# Altium PCB 400389.PcbDoc (part 2 of 8) (continued)
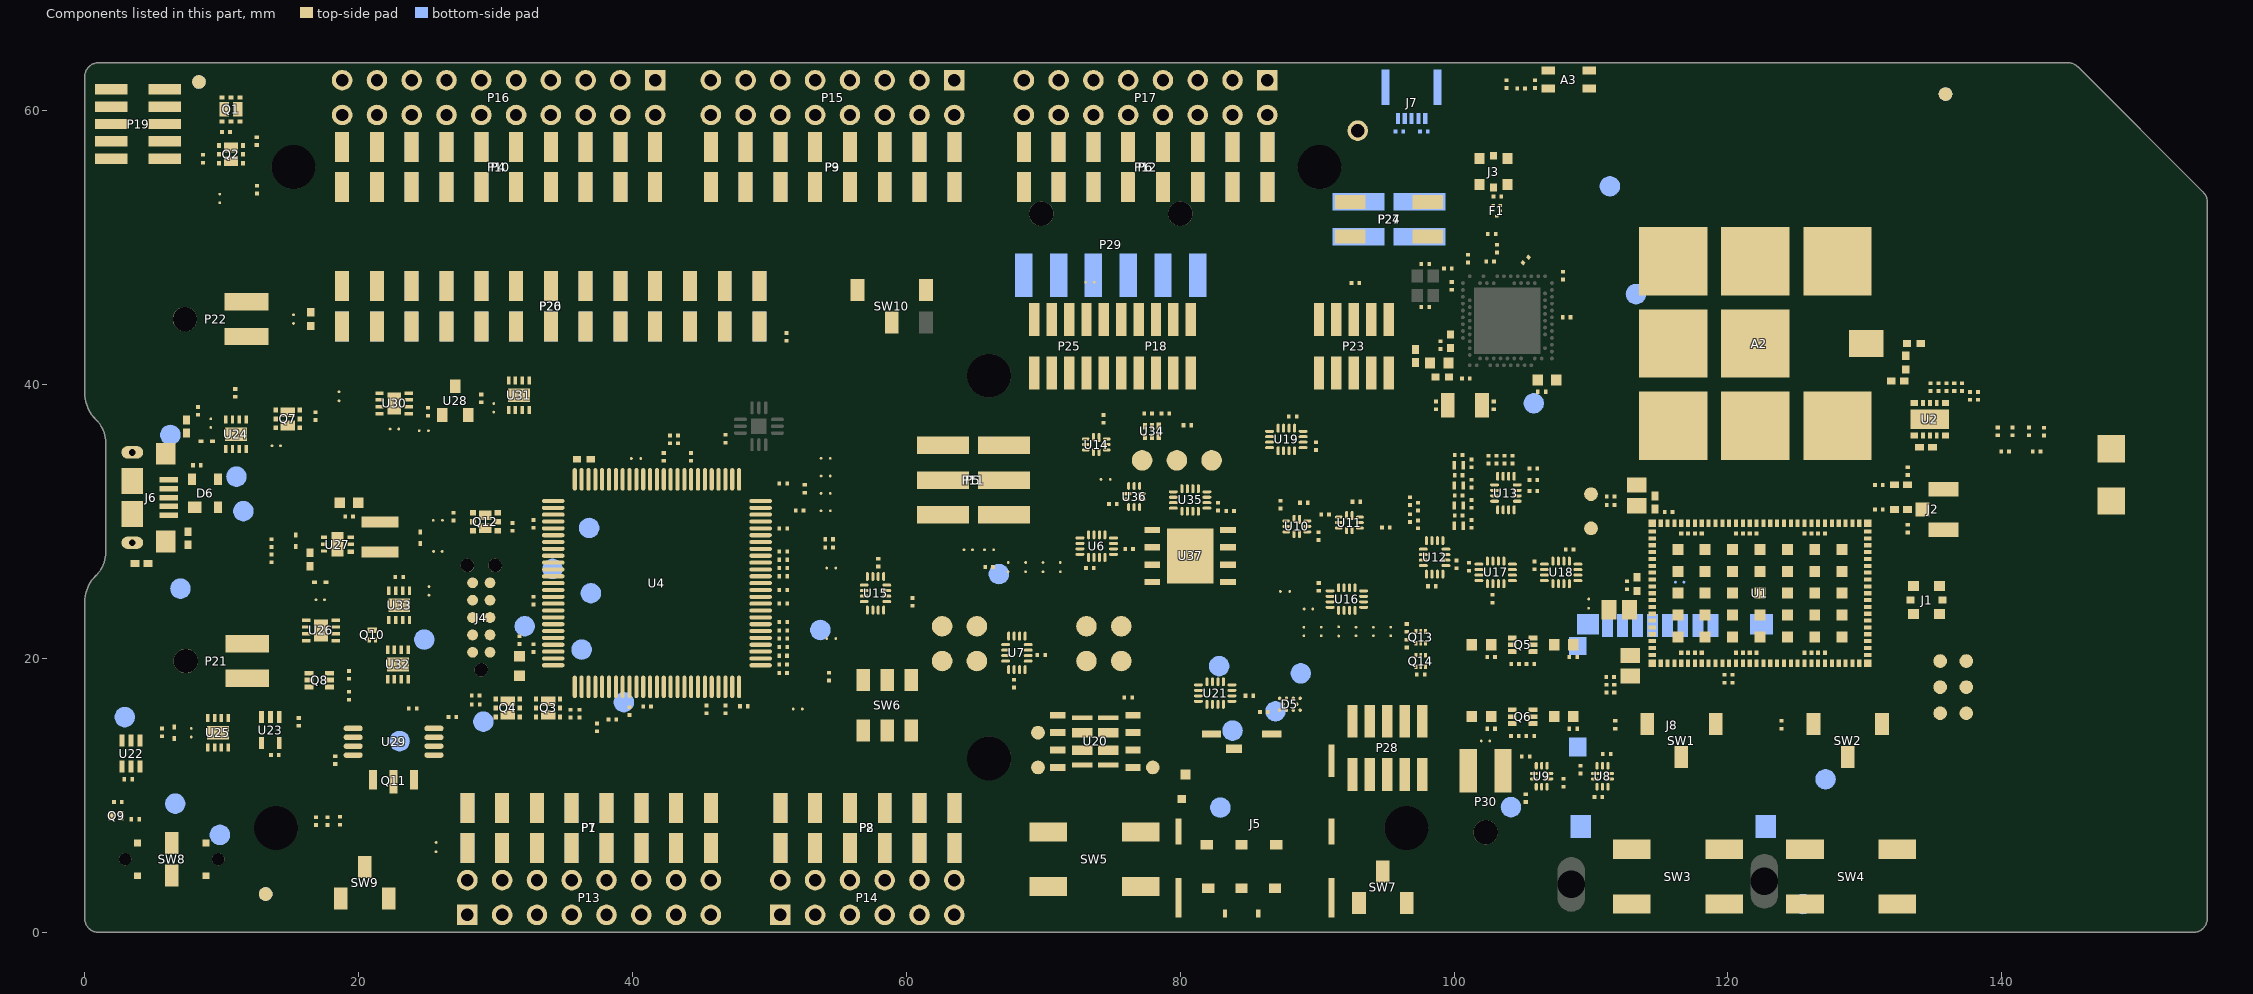
[diagram p4: the components of this part, seen from the top]
## Part data (continued)
P5: library part "Pin Header 2x3 SMD", "Pin Header 2x3, 2.54mm (100mil) SMD", Manufacturer=W-CON, Manufacturer Part Number=1125-1203S0M116R1, Part number IPS=00000009966, Artikkelnr Noca=55010007, ComponentLink1Description=Datasheet, ComponentLink2Description="Supplier link", Footprint Doc=HDR_2x3-SMD, HelpURL=\\hizz\pro\app9717\Datasheet\connectors\W-CON\1125-12XXXXMXXXXX.PDF, LatestRevisionDate=2016-01-22, Note=SMD, Part Number="Pin Header 2x3 SMD", Pin Count=6, Published=2016-01-22, Publisher="Nordic Semiconductor", Supplier 1=Cabcon, Supplier 2=Samtec, Supplier Part Number 1=1125-1203S0M116R1, Supplier Part Number 2=TSM-103-01-L-DV
P7 P9 P12: library part "Pin List 1x8 SMD, N.C.", "Pin List 1x8, 2.54mm (100mil), SMD", Manufacturer=W-CON, Manufacturer Part Number=1125-1108S0M116R2, Part number IPS=N.A., Artikkelnr Noca=55010006, Assembly="Not mounted", ComponentLink1Description=Datasheet, ComponentLink2Description="Supplier link", Footprint Doc=LIST_1x8_SMD, HelpURL=\\hizz\pro\app9717\Datasheet\connectors\W-CON\1125-11XXXXMXXXXX.pdf, LatestRevisionDate=2016-01-22, Part Number="Pin List 1x8 SMD, N.C.", Pin Count=8, Published=2016-01-22, Publisher="Nordic Semiconductor", Supplier 1=Cabcon, Supplier 2=Samtec, Supplier Part Number 1=1125-1108S0M116R2, Supplier Part Number 2=TSM-108-01-L-SV-P-TR
P8: library part "Pin List 1x6 SMD, N.C.", "Pin List 1x6, 2.54mm (100mil), SMD", Manufacturer=W-CON, Manufacturer Part Number=1125-1106S0M116R2, Part number IPS=N.A., Artikkelnr Noca=55010026, Assembly="Not mounted", ComponentLink1Description=Datasheet, ComponentLink2Description="Supplier link", Footprint Doc=LIST_1x6_SMD, HelpURL=\\hizz\pro\app9717\Datasheet\connectors\W-CON\1125-11XXXXMXXXXX.pdf, LatestRevisionDate=2016-03-29, Part Number="Pin List 1x6 SMD, N.C.", Pin Count=6, Published=2016-03-29, Publisher="Nordic Semiconductor", Supplier 1=Cabcon, Supplier 2=Samtec, Supplier Part Number 1=1125-1106S0M116R2, Supplier Part Number 2=TSM-106-01-L-SV-P-TR
P10: library part "Pin List 1x10 SMD, N.C.", "Pin List 1x10, 2.54mm (100mil), SMD", Manufacturer=W-CON, Manufacturer Part Number=1125-1110S0M116R2, Part number IPS=N.A., Artikkelnr Noca=55010028, Assembly="Not mounted", ComponentLink1Description=Datasheet, ComponentLink2Description="Supplier link", Footprint Doc=LIST_1x10_SMD, HelpURL=\\hizz\pro\app9717\Datasheet\connectors\W-CON\1125-11XXXXMXXXXX.pdf, LatestRevisionDate=2016-03-29, Part Number="Pin List 1x10 SMD, N.C.", Pin Count=10, Published=2016-03-29, Publisher="Nordic Semiconductor", Supplier 1=Cabcon, Supplier 2=Samtec, Supplier Part Number 1=1125-1110S0M116R2, Supplier Part Number 2=TSM-110-01-L-SV-P-TR
P11: library part "Socket 2x3 SMD Bottom, N.C.", "Socket 2x3, 2.54mm (100mil), SMD", Manufacturer=W-CON, Manufacturer Part Number=2171-203MS0CUNR1, Part number IPS=N.A., Artikkelnr Noca=55030010, Assembly="Not mounted", ComponentLink1Description=Datasheet, ComponentLink2Description="Supplier link", Footprint Doc=SOCKET_2x3_SMD-2.54mm-bottom, HelpURL=\\hizz\pro\app9717\Datasheet\connectors\W-CON\2171-2XXMXXCUNXX.pdf, LatestRevisionDate=2016-03-29, Part Number="Socket 2x3 SMD Bottom, N.C.", Pin Count=6, Published=2014-06-10, Publisher="Nordic Semiconductor", Supplier 1=Cabcon, Supplier 2=Samtec, Supplier Part Number 1=2171-203MS0CUNR1, Supplier Part Number 2=SSM-103-F-DV-P-TR
P13 P15 P17: library part "Pin Header 2x8, N.C.", "Pin Header 2x8, 2.54mm (100mil)", Part number IPS=N.A., Artikkelnr Noca=N.A., Assembly="Not mounted", ComponentLink1Description=Datasheet, ComponentLink2Description="Supplier link", Footprint Doc=HDR_2x8, LatestRevisionDate=2009-12-12, Part Number="Pin Header 2x8, N.C.", Pin Count=16, Published=2009-12-12, Publisher="Nordic Semiconductor"
P14: library part "Pin Header 2x6, N.C.", "Pin Header 2x6, 2.54mm (100mil)", Part number IPS=N.A., Artikkelnr Noca=N.A., Assembly="Not mounted", ComponentLink1Description=Datasheet, ComponentLink2Description="Supplier link", Footprint Doc=HDR_2x6, LatestRevisionDate=2014-07-04, Part Number="Pin Header 2x6, N.C.", Pin Count=12, Published=2009-12-12, Publisher="Nordic Semiconductor"
P16: library part "Pin Header 2x10, N.C.", "Pin Header 2x10, 2.54mm (100mil)", Part number IPS=N.A., Artikkelnr Noca=N.A., Assembly="Not mounted", ComponentLink1Description=Datasheet, ComponentLink2Description="Supplier link", Footprint Doc=HDR_2x10, LatestRevisionDate=2017-02-02, Part Number="Pin Header 2x10, N.C.", Pin Count=20, Published=2017-01-30, Publisher="Nordic Semiconductor"
P18 P19 P23: library part "Pin Header 2x5 SMD, 1.27mm, KS", "Pin Header 2x5, 1.27mm (50mil), SMD, Keying Shroud", Manufacturer=W-CON, Manufacturer Part Number=3132-10MS0BK00R1, Part number IPS=00000009968, Artikkelnr Noca=55010009, ComponentLink1Description=Datasheet, ComponentLink2Description="Supplier link", Footprint Doc=HDR_2x5-SMD-1.27mm, HelpURL=\\hizz\pro\app9717\Datasheet\connectors\W-CON\3132-XXMXXBK00XX.pdf, LatestRevisionDate=2016-04-21, Part Number="Pin Header 2x5 SMD, 1.27mm, KS", Pin Count=10, Published=2016-01-22, Publisher="Nordic Semiconductor", Supplier 1=Cabcon, Supplier 2=Samtec, Supplier Part Number 1=3132-10MS0BK00R1, Supplier Part Number 2=FTSH-105-01-F-DV-K
P20: library part "Pin List 1x13 SMD", "Pin List 1x13, 2.54mm (100mil), SMD", Part number IPS=00000002499, Supplier Part Number 1=1125-1113S0M116R2, Artikkelnr Noca=N.A., ComponentLink1Description=Datasheet, ComponentLink2Description="Supplier link", Footprint Doc=LIST_1x13_SMD, LatestRevisionDate=2015-11-10, Part Number="Pin List 1x13 SMD", Pin Count=13, Published=2015-11-10, Publisher="Nordic Semiconductor", Supplier 1=Cabcon, Supplier 2=Samtec, Supplier Part Number 2=TSM-113-01-L-SV-P-TR
P21 P22 P30: library part "Pin List Ang 1x2 SMD, 2.54mm", "Pin List 1x2, 2.54mm (100mil), Right Angled, SMD", Manufacturer=W-CON, Manufacturer Part Number=1125B-1102S0Z135R2, Part number IPS=00000009972, Artikkelnr Noca=55010023, ComponentLink1Description=Datasheet, ComponentLink2Description="Supplier link", Footprint Doc=LIST_ANG_1x2-SMD-2.54MM, HelpURL=\\hizz\pro\app9717\Datasheet\connectors\W-CON\1125B-11XXXXZXXXXX.pdf, LatestRevisionDate=2016-05-26, Part Number="Pin List Ang 1x2 SMD, 2.54mm", Pin Count=2, Published=2016-01-22, Publisher="Nordic Semiconductor", Supplier 1=Cabcon, Supplier 2=Samtec, Supplier Part Number 1=1125B-1102S0Z135R2, Supplier Part Number 2=TSM-102-01-L-SH-A
P24: library part 2171-202MSNCUNR1, ".025 SOCKET STRIPS", Manufacturer=WCON, Part number IPS=00000001417, Artikkelnr Noca=N.A., ComponentLink1Description=Datasheet, ComponentLink1URL=https://www.samtec.com/partnumber/ssm-102-t-dv-be-tr?vendor=digikey, ComponentLink2Description="Supplier link", Footprint Doc=SSM-102-T-DV-BE-TR, LatestRevisionDate=2018-06-07, Manufacturer Part Number=2171-202MSNCUNR1, Part Number=2171-202MSNCUNR1, Pin Count=4, Published=2018-06-07, Publisher="Nordic Semiconductor", Supplier 1=Cabcon, Supplier 2=Digi-Key, Supplier Part Number 1=2171-202MSNCUNR1, Supplier Part Number 2=SSM-102-T-DV-BE-TR-ND
P25: library part "Pin Header 2x10 SMD, 1.27mm, KS, N.C.", "Pin Header 2x10, 1.27mm (50mil), SMD, Keying Shroud", Manufacturer=W-CON, Manufacturer Part Number=3132-20MS0BK00R1, Part number IPS=N.A., Artikkelnr Noca=N.A., Assembly="Not mounted", ComponentLink1Description=Datasheet, ComponentLink2Description="Supplier link", Footprint Doc=HDR_2x10-SMD-1.27mm, LatestRevisionDate=2017-10-23, Part Number="Pin Header 2x10 SMD, 1.27mm, KS, N.C.", Pin Count=20, Published=2017-09-07, Publisher="Nordic Semiconductor", Supplier 1=Cabcon, Supplier 2=Digi-Key, Supplier Part Number 1=3132-20MS0BK00R1, Supplier Part Number 2=FTSH-110-01-F-DV-K-ND
P26: library part "Socket 1x13 SMD, N.C.", "Socket 1x13, 2.54mm (100mil), SMD", Manufacturer=W-CON, Manufacturer Part Number=2171-113MS0CUNR1, Part number IPS=N.A., Artikkelnr Noca=N.A., Assembly="Not mounted", ComponentLink1Description=Datasheet, ComponentLink2Description="Supplier link", Footprint Doc=SOCKET_1x13_SMD, LatestRevisionDate=2019-05-27, Part Number="Socket 1x13 SMD, N.C.", Pin Count=13, Published=2019-05-27, Publisher="Nordic Semiconductor", Supplier 1=Cabcon, Supplier 2=Samtec, Supplier Part Number 1=2171-113MS0CUNR1, Supplier Part Number 2=SSM-113-L-SV-P-TR
P27: library part HDR_2x2_SMD_GOLD, "CONN HEADER 4POS .100\" VERT 15AU", Manufacturer=Molex, Manufacturer Part Number=15-91-0040, Part number IPS=N.A., Supplier Part Number 1=0015910040-ND, Artikkelnr Noca=N.A., Assembly="Not mounted", ComponentLink1Description=Datasheet, ComponentLink2Description="Supplier link", Footprint Doc=HDR_2x2-SMD, HelpURL=http://www.molex.com/pdm_docs/sd/015910040_sd.pdf, LatestRevisionDate=2012-05-06, Note="SMD, gold plating", Part Number=HDR_2x2_SMD_GOLD, Pin Count=4, Published=2012-05-06, Publisher="Nordic Semiconductor", Supplier 1=Digi-Key
P28: library part "Pin Header 2x5 SMD, 1.27mm", "Pin Header 2x5, 1.27mm (50mil), SMD", Manufacturer=W-CON, Manufacturer Part Number=1325-1205S0M078R1, Part number IPS=00000009970, Artikkelnr Noca=55019196, ComponentLink1Description=Datasheet, ComponentLink2Description="Supplier link", Footprint Doc=HDR_2x5-SMD-1.27mm, HelpURL=http://www.farnell.com/datasheets/81359.pdf, LatestRevisionDate=2016-04-21, Part Number="Pin Header 2x5 SMD, 1.27mm", Pin Count=10, Published=2010-11-25, Publisher="Nordic Semiconductor", Supplier 1=Cabcon, Supplier 2=Farnell, Supplier Part Number 1=1325-1205S0M078R1, Supplier Part Number 2=166-7759
P29: library part "Pin List Ang 1x6 SMD, 2.54mm", "Pin List 1x6, 2.54mm (100mil), Right Angled, SMD", Part number IPS=N.A., Supplier Part Number 1=TSM-106-01-L-SH-A, Artikkelnr Noca=N.A., Assembly="Not mounted", ComponentLink1Description=Datasheet, ComponentLink2Description="Supplier link", Footprint Doc=LIST_ANG_1x6-SMD-2.54MM, LatestRevisionDate=2015-01-23, Part Number="Pin List Ang 1x6 SMD, 2.54mm", Pin Count=6, Published=2015-01-23, Publisher="Nordic Semiconductor", Supplier 1=Samtec, Supplier 2=Digi-Key, Supplier Part Number 2=S1113E-06-ND
Q1 Q2 Q3 Q4 Q7: library part PMCPB5530X,115, "Mosfet Array N and P-Channel 20V 4A (Ta), 3.4A (Ta) 490mW Surface Mount 6-HUSON-EP (2x2)", Manufacturer=Nexperia, Part number IPS=00000001918, Supplier Part Number 1=1727-1327-1-ND, Artikkelnr Noca=N.A., ComponentLink1Description=Datasheet, ComponentLink1URL=https://assets.nexperia.com/documents/data-sheet/PMCPB5530X.pdf, ComponentLink2Description="Supplier link", ComponentLink2URL=https://www.digikey.com/product-detail/en/nexperia-usa-inc/PMCPB5530X115/1727-1327-1-ND/4386339, Footprint Doc=6-UDFN, HelpURL=https://www.nexperia.com/products/mosfets/small-signal-mosfets/PMCPB5530X.html, LatestRevisionDate=2018-04-30, Manufacturer Part Number=PMCPB5530X,115, Part Number=PMCPB5530X,115, Pin Count=8, Published=2018-04-30, Publisher="Nordic Semiconductor", Supplier 1=Digi-Key, Supplier 2=Mouser, Supplier Part Number 2=771-PMCPB5530X115
Q5 Q6 Q8: "MOSFET 2N-CH 30V 0.2A SOT666", Manufacturer=Nexperia, Manufacturer Part Number=NX3020NAKV,115, Part number IPS=00000001724, Supplier Part Number 1=1727-1287-2-ND, Artikkelnr Noca=N.A., ComponentLink1Description=Datasheet, ComponentLink1URL=https://assets.nexperia.com/documents/data-sheet/NX3020NAKV.pdf, ComponentLink2Description="Supplier link", Footprint Doc=SOT666, LatestRevisionDate=2018-12-13, Part Number=NX3020NAKV, Pin Count=6, Published=2018-12-13, Publisher="Nordic Semiconductor", Supplier 1=Digi-Key, Supplier 2=Mouser, Supplier Part Number 2=771-NX3020NAKV115
Q9 Q10: "N-Channel MOSFET, 20V, 1A, 470mOhm, 400mW", Manufacturer="Rohm Semiconductor", Part number IPS=00000009976, Supplier Part Number 1=RV2C010UNT2LCT-ND, Artikkelnr Noca=35010020, ComponentLink1Description=Datasheet, ComponentLink2Description="Supplier link", Footprint Doc=DFN-3, HelpURL=http://rohmfs.rohm.com/en/products/databook/datasheet/discrete/transistor/mosfet/rv2c010unt2l-e.pdf, LatestRevisionDate=2016-08-09, Manufacturer Part Number=RV2C010UNT2L, Part Number=RV2C010UNT2L, Pin Count=3, Published=2016-08-09, Publisher="Nordic Semiconductor", Supplier 1=Digi-Key, Supplier 2=Mouser, Supplier Part Number 2=755-RV2C010UNT2L
Q11: "45V NPN high gain power transistor", Manufacturer="Diodes Incorporated", Part number IPS=00000009974, Supplier Part Number 1=FCX690BCT-ND, Artikkelnr Noca=35010019, ComponentLink1Description=Datasheet, ComponentLink2Description="Supplier link", Footprint Doc=SOT-89, HelpURL=http://www.diodes.com/_files/datasheets/FCX690B.pdf, LatestRevisionDate=2016-07-07, Manufacturer Part Number=FCX690BTA, Part Number=FCX690BTA, Pin Count=3, Published=2016-07-07, Publisher="Nordic Semiconductor", Supplier 1=Digi-Key
Q12: "Dual N & P Ch MOFET, 11.6A/9A, 90mOhm max, 6.25W", Manufacturer="Taiwan Semiconductor", Part number IPS=00000001702, Supplier Part Number 1=TSM2537CQRFGCT-ND, Artikkelnr Noca=N.A., ComponentLink1Description=Datasheet, ComponentLink1URL=https://www.taiwansemi.com/products/datasheet/TSM2537CQ_A1610.pdf, ComponentLink2Description="Supplier link", Footprint Doc=VDFN-6, HelpURL=https://www.taiwansemi.com/products/datasheet/TSM2537CQ_A1610.pdf, LatestRevisionDate=2018-10-29, Manufacturer Part Number="TSM2537CQ RFG", Part Number="TSM2537CQ RFG", Pin Count=6, Published=2018-10-29, Publisher="Nordic Semiconductor", Supplier 1=Digi-Key
Q13 Q14: library part DMC2990UDJ-7, "MOSFET, Dual N and P-Channel, 20V, 450mA/310mA, 990mOhm, 350mW", Manufacturer="Diodes Incorporated", Part number IPS=N.A., Supplier Part Number 1=DMC2990UDJ-7DICT-ND, Artikkelnr Noca=N.A., ComponentLink1Description=Datasheet, ComponentLink1URL=https://www.diodes.com/assets/Datasheets/DMC2990UDJ.pdf, ComponentLink2Description="Supplier link", Footprint Doc=SOT-963, LatestRevisionDate=2020-02-21, Manufacturer Part Number=DMC2990UDJ-7, Part Number=DMC2990UDJ-7, Pin Count=6, Published=2020-02-21, Publisher="Nordic Semiconductor", Supplier 1=Digi-Key
R1 R13 R14 R15 R16 R20 R104 R105 R106: library part R0201-10k, "Resistor, ±1%, 0.05W", Part number IPS=00000001255, Artikkelnr Noca=N.A., ComponentLink1Description=Datasheet, ComponentLink2Description="Supplier link", Footprint Doc=0201, LatestRevisionDate=2014-11-13, Note="Chip Res 1%", Part Number=R0201-10k, Pin Count=2, Published=2014-11-13, Publisher="Nordic Semiconductor"
R2 R81 R82 R99: library part R0201-1k0, "Resistor, ±1%, 0.05W", Part number IPS=00000005786, Artikkelnr Noca=N.A., ComponentLink1Description=Datasheet, ComponentLink2Description="Supplier link", Footprint Doc=0201, LatestRevisionDate=2014-11-13, Note="Chip Res 1%", Part Number=R0201-1k0, Pin Count=2, Published=2014-11-13, Publisher="Nordic Semiconductor"
R3 R6 R8 R10 R68: library part R0201-0R, "Resistor, ±5%, 0.05W", Part number IPS=00000003245, Artikkelnr Noca=N.A., ComponentLink1Description=Datasheet, ComponentLink2Description="Supplier link", Footprint Doc=0201, LatestRevisionDate=2017-11-09, Note="Chip Res 5%", Part Number=R0201-0R, Pin Count=2, Published=2014-11-13, Publisher="Nordic Semiconductor"
R4: library part R0402-0R, "Resistor, ±5%, 0.063W", Part number IPS=00000007128, Supplier Part Number 1=146-9661, Artikkelnr Noca=27049000, ComponentLink1Description=Datasheet, ComponentLink2Description="Supplier link", Footprint Doc=0402, LatestRevisionDate=2009-11-23, Note="Chip Res 5%", Part Number=R0402-0R, Pin Count=2, Published=2009-05-08, Publisher="Nordic Semiconductor", Supplier 1=Farnell
R5 R7 R9 R11 R19 R39 R42 R44 R45 R46 R47 R48 R49 R50 R51 R52 R53 R54 R69 R70 R71 R72 R77 R78 R79 R80 R86 R88 R91 R92 R103: library part R0201-1M0, "Resistor, ±1%, 0.05W", Part number IPS=00000001418, Artikkelnr Noca=N.A., ComponentLink1Description=Datasheet, ComponentLink2Description="Supplier link", Footprint Doc=0201, LatestRevisionDate=2014-11-13, Note="Chip Res 1%", Part Number=R0201-1M0, Pin Count=2, Published=2014-11-13, Publisher="Nordic Semiconductor"
R12 R25 R55 R57 R59 R61 R83 R101 R107: library part R0201-100k, "Resistor, ±1%, 0.05W", Part number IPS=00000001419, Artikkelnr Noca=N.A., ComponentLink1Description=Datasheet, ComponentLink2Description="Supplier link", Footprint Doc=0201, LatestRevisionDate=2014-11-13, Note="Chip Res 1%", Part Number=R0201-100k, Pin Count=2, Published=2014-11-13, Publisher="Nordic Semiconductor"
R17 R67 R108: library part R0201-N.C., "Not mounted", Part number IPS=N.A., Artikkelnr Noca=N.A., Assembly="Not mounted", ComponentLink1Description=Datasheet, ComponentLink2Description="Supplier link", Footprint Doc=0201, LatestRevisionDate=2014-11-13, Note="Chip Res", Part Number=R0201-N.C., Pin Count=2, Published=2014-11-13, Publisher="Nordic Semiconductor"
R18 R73 R74 R75 R76: library part R0201-120, "Resistor, ±1%, 0.05W", Part number IPS=00000000880, Artikkelnr Noca=N.A., ComponentLink1Description=Datasheet, ComponentLink2Description="Supplier link", Footprint Doc=0201, LatestRevisionDate=2014-11-13, Note="Chip Res 1%", Part Number=R0201-120, Pin Count=2, Published=2014-11-13, Publisher="Nordic Semiconductor"
R21 R24 R26 R27 R28 R29 R30 R31 R32 R33 R34 R35 R36 R37 R38 R40 R41 R43: library part R0201-150, "Resistor, ±1%, 0.05W", Part number IPS=00000001420, Artikkelnr Noca=N.A., ComponentLink1Description=Datasheet, ComponentLink2Description="Supplier link", Footprint Doc=0201, LatestRevisionDate=2014-11-13, Note="Chip Res 1%", Part Number=R0201-150, Pin Count=2, Published=2014-11-13, Publisher="Nordic Semiconductor"
R22 R23: library part R0201-33R, "Resistor, ±1%, 0.05W", Part number IPS=00000003623, Artikkelnr Noca=N.A., ComponentLink1Description=Datasheet, ComponentLink2Description="Supplier link", Footprint Doc=0201, LatestRevisionDate=2014-11-13, Note="Chip Res 1%", Part Number=R0201-33R, Pin Count=2, Published=2014-11-13, Publisher="Nordic Semiconductor"
R56 R58 R60 R62: library part R0201-18k, "Resistor, ±1%, 0.05W", Part number IPS=00000001707, Artikkelnr Noca=N.A., ComponentLink1Description=Datasheet, ComponentLink2Description="Supplier link", Footprint Doc=0201, LatestRevisionDate=2014-11-13, Note="Chip Res 1%", Part Number=R0201-18k, Pin Count=2, Published=2014-11-13, Publisher="Nordic Semiconductor"
R63 R64: library part R0201-4k7, "Resistor, ±1%, 0.05W", Part number IPS=00000001706, Artikkelnr Noca=N.A., ComponentLink1Description=Datasheet, ComponentLink2Description="Supplier link", Footprint Doc=0201, LatestRevisionDate=2014-11-13, Note="Chip Res 1%", Part Number=R0201-4k7, Pin Count=2, Published=2014-11-13, Publisher="Nordic Semiconductor"
R65 R66: library part R0201-12k, "Resistor, ±1%, 0.05W", Part number IPS=00000007891, Artikkelnr Noca=N.A., ComponentLink1Description=Datasheet, ComponentLink2Description="Supplier link", Footprint Doc=0201, LatestRevisionDate=2014-11-13, Note="Chip Res 1%", Part Number=R0201-12k, Pin Count=2, Published=2014-11-13, Publisher="Nordic Semiconductor"
R84: library part R0201-422, "Resistor, ±1%, 0.05W", Part number IPS=00000002996, Artikkelnr Noca=N.A., ComponentLink1Description=Datasheet, ComponentLink2Description="Supplier link", Footprint Doc=0201, LatestRevisionDate=2019-07-16, Note="Chip Res 1%", Part Number=R0201-422, Pin Count=2, Published=2019-07-16, Publisher="Nordic Semiconductor"
R85 R95: library part R0201-150k, "Resistor, ±1%, 0.05W", Part number IPS=00000001422, Artikkelnr Noca=N.A., ComponentLink1Description=Datasheet, ComponentLink2Description="Supplier link", Footprint Doc=0201, LatestRevisionDate=2014-11-13, Note="Chip Res 1%", Part Number=R0201-150k, Pin Count=2, Published=2014-11-13, Publisher="Nordic Semiconductor"
R87: library part R0201-47k, "Resistor, ±1%, 0.05W", Part number IPS=00000001423, Artikkelnr Noca=N.A., ComponentLink1Description=Datasheet, ComponentLink2Description="Supplier link", Footprint Doc=0201, LatestRevisionDate=2014-11-13, Note="Chip Res 1%", Part Number=R0201-47k, Pin Count=2, Published=2014-11-13, Publisher="Nordic Semiconductor"
R89: library part R0201-820k, "Resistor, ±1%, 0.05W", Part number IPS=00000001427, Artikkelnr Noca=N.A., ComponentLink1Description=Datasheet, ComponentLink2Description="Supplier link", Footprint Doc=0201, LatestRevisionDate=2014-11-13, Note="Chip Res 1%", Part Number=R0201-820k, Pin Count=2, Published=2014-11-13, Publisher="Nordic Semiconductor"
R90: library part R0201-470k, "Resistor, ±1%, 0.05W", Part number IPS=00000001428, Artikkelnr Noca=N.A., ComponentLink1Description=Datasheet, ComponentLink2Description="Supplier link", Footprint Doc=0201, LatestRevisionDate=2014-11-13, Note="Chip Res 1%", Part Number=R0201-470k, Pin Count=2, Published=2014-11-13, Publisher="Nordic Semiconductor"
R93 R94 R98 R102: library part R0201-10M, "Resistor, ±1%, 0.05W", Part number IPS=00000001426, Artikkelnr Noca=N.A., ComponentLink1Description=Datasheet, ComponentLink2Description="Supplier link", Footprint Doc=0201, LatestRevisionDate=2014-11-13, Note="Chip Res 1%", Part Number=R0201-10M, Pin Count=2, Published=2014-11-13, Publisher="Nordic Semiconductor"
R96: library part R0201-330k, "Resistor, ±1%, 0.05W", Part number IPS=00000001424, Artikkelnr Noca=N.A., ComponentLink1Description=Datasheet, ComponentLink2Description="Supplier link", Footprint Doc=0201, LatestRevisionDate=2014-11-13, Note="Chip Res 1%", Part Number=R0201-330k, Pin Count=2, Published=2014-11-13, Publisher="Nordic Semiconductor"
R97: library part R0402-N.C., "Not mounted", Part number IPS=N.A., Artikkelnr Noca=N.A., Assembly="Not mounted", ComponentLink1Description=Datasheet, ComponentLink2Description="Supplier link", Footprint Doc=0402, LatestRevisionDate=2009-05-08, Note="Chip Res", Part Number=R0402-N.C., Pin Count=2, Published=2009-05-08, Publisher="Nordic Semiconductor"
R100: library part R0201-120k, "Resistor, ±1%, 0.05W", Part number IPS=00000001425, Artikkelnr Noca=N.A., ComponentLink1Description=Datasheet, ComponentLink2Description="Supplier link", Footprint Doc=0201, LatestRevisionDate=2014-11-13, Note="Chip Res 1%", Part Number=R0201-120k, Pin Count=2, Published=2014-11-13, Publisher="Nordic Semiconductor"
SB1 SB3 SB4 SB5 SB6 SB7 SB8 SB9 SB10 SB11 SB12 SB13 SB14 SB23 SB26 SB32 SB35 SB39: library part "Solderbridge Shorted", "Shorted Solderbridge", Part number IPS=N.A., Artikkelnr Noca=N.A., ComponentLink1Description=Datasheet, ComponentLink2Description="Supplier link", Footprint Doc=Solderbridge_Shorted, LatestRevisionDate=2012-08-07, Part Number="Solderbridge Shorted", Pin Count=2, Published=2012-08-07, Publisher="Nordic Semiconductor"
SB2 SB16 SB17 SB18 SB19 SB21 SB22 SB24 SB25 SB27 SB28 SB29 SB30 SB31 SB34 SB36 SB37 SB38 SB40 SB41: Part number IPS=N.A., Artikkelnr Noca=N.A., ComponentLink1Description=Datasheet, ComponentLink2Description="Supplier link", Footprint Doc=Solderbridge, LatestRevisionDate=2009-12-14, Part Number=Solderbridge, Pin Count=2, Published=2009-12-14, Publisher="Nordic Semiconductor"
SB15 SB20: library part "Solderbridge shorted", "Shorted Solderbridge", Part Number="Solderbridge Shorted", Part number IPS=N.A., Artikkelnr Noca=N.A., ComponentLink1Description=Datasheet, ComponentLink2Description="Supplier link", Footprint Doc=Solderbridge_Shorted, LatestRevisionDate=2012-08-07, Pin Count=2, Published=2012-08-07, Publisher="Nordic Semiconductor"
SB33: library part "Solderbridge Shorted Power", "Shorted Solderbridge Power", Part number IPS=N.A., Artikkelnr Noca=N.A., ComponentLink1Description=Datasheet, ComponentLink2Description="Supplier link", Footprint Doc=Solderbridge_Shorted_Power, LatestRevisionDate=2012-08-07, Part Number="Solderbridge Shorted Power", Pin Count=2, Published=2012-08-07, Publisher="Nordic Semiconductor"
SW1 SW2 SW10: "SWITCH SLIDE SPDT 300MA 6V", Manufacturer="C&K Components", Part number IPS=00000009980, Supplier Part Number 1=CKN10721CT-ND, Artikkelnr Noca=N.A., ComponentLink1Description=Datasheet, ComponentLink2Description="Supplier link", HelpURL=http://www.ckswitches.com/media/1422/js.pdf, LatestRevisionDate=2017-02-15, Manufacturer Part Number=JS102011JCQN, Part Number=JS102011JCQN, Pin Count=3, Published=2017-02-15, Publisher="Nordic Semiconductor", Supplier 1=Digi-Key, Supplier 2=Mouser, Supplier Part Number 2=611-JS102011JCQN
SW3 SW4 SW5: library part Switch-PB-6.2x6.3mm-SMD, "Tactile Switch, SPNO, SMD, 160gf, 6.2x6.3x2.5mm", Manufacturer=Dailywell, Manufacturer Part Number=TS604VM1-025BR-R, Part number IPS=00000007812, Artikkelnr Noca=50019106, ComponentLink1Description=Datasheet, ComponentLink2Description="Supplier link", Footprint Doc=Switch-PB-6.2x6.3mm-SMD, HelpURL=\\hizz\pro\app9717\Datasheet\switches\Dailywell\TS604VM1-025BR-R.pdf, LatestRevisionDate=2016-04-21, Part Number=Switch-PB-6.2x6.3mm-SMD, Pin Count=4, Published=2010-02-01, Publisher="Nordic Semiconductor", Supplier 1=Cabcon, Supplier 2=Mouser, Supplier Part Number 1=TS604VM1-025BR-R, Supplier Part Number 2=688-SKHUALE010
SW6: "Slide Switch DPDT J Hook", Manufacturer="Copal Electronics Inc", Part number IPS=00000009983, Supplier Part Number 1=CAS220JTR-ND, Artikkelnr Noca=50019042, ComponentLink1Description=Datasheet, ComponentLink2Description="Supplier link", Footprint Doc=CAS-220TA, HelpURL=http://media.digikey.com/pdf/Data%20Sheets/COPAL%20Electronics%20PDFs/CAS%20SMD%20Slide%20Switch.pdf, LatestRevisionDate=2010-02-18, Manufacturer Part Number=CAS-220TA, Part Number=CAS-220TA, Pin Count=6, Published=2010-02-18, Publisher="Nordic Semiconductor", Supplier 1=Digi-Key
SW7 SW9: library part CJS-1200TA, "SMD slide Switch (ON-ON)", Manufacturer="Copal Electronics Inc", Part number IPS=00000009982, Supplier Part Number 1=563-1021-2-ND, Artikkelnr Noca=50019068, ComponentLink1Description=Datasheet, ComponentLink2Description="Supplier link", Footprint Doc=CJS-120xA, HelpURL=http://media.digikey.com/pdf/Data%20Sheets/COPAL%20Electronics%20PDFs/CJS.pdf, LatestRevisionDate=2012-10-03, Manufacturer Part Number=CJS-1200TA, Part Number=CJS-1200TA, Pin Count=3, Published=2012-10-03, Publisher="Nordic Semiconductor", Supplier 1=Digi-Key
SW8: library part Switch-Slide-RA-J-Lead-DPDT-8.5x3.5mm_C&K, "SMD slide Switch (ON-ON)", Manufacturer="C&K Components", Manufacturer Part Number=JS202011JAQN, Part number IPS=00000007811, Supplier Part Number 1=CKN10722CT-ND, Artikkelnr Noca=N.A., ComponentLink1Description=Datasheet, ComponentLink2Description="Supplier link", Footprint Doc=Switch-Slide-RA-J-Lead-DPDT-8.5x3.5mm, HelpURL=http://www.ck-components.com/media/1422/js.pdf, LatestRevisionDate=2017-02-01, Part Number=Switch-Slide-RA-J-Lead-DPDT-8.5x3.5mm_C&K, Pin Count=6, Published=2016-09-15, Publisher="Nordic Semiconductor", Supplier 1=Digi-Key, Supplier 2=Mouser, Supplier Part Number 2=611-JS202011JAQN
TP2 TP3 TP4 TP5 TP6 TP7 TP8 TP9 TP34 TP35 TP36: library part TP_SMD_Ø1.0MM, "1.0mm circular SMD testpad", Manufacturer="Nordic Semiconductor", Part number IPS=N.A., Artikkelnr Noca=N.A., ComponentLink1Description=Datasheet, ComponentLink2Description="Supplier link", Footprint Doc=TP_SMD_Ø1.0mm, LatestRevisionDate=2013-06-11, Part Number=TP_SMD_Ø1.0MM, Pin Count=1, Published=2013-06-11, Publisher="Nordic Semiconductor"
TP10 TP11 TP12 TP13 TP14 TP15 TP16 TP17 TP18 TP19 TP20 TP21 TP22 TP23 TP24 TP25 TP26 TP27 TP29 TP31 TP32 TP33 TP37 TP38 TP39 TP40 TP41 TP42 TP43 TP44 TP45 TP46 TP47 TP48 TP49 TP50 TP53 TP54 TP55 TP56 TP57: library part TP_SMD_Ø1.5MM, "1.5mm circular SMD testpad", Manufacturer="Nordic Semiconductor", Part number IPS=N.A., Artikkelnr Noca=N.A., ComponentLink1Description=Datasheet, ComponentLink2Description="Supplier link", Footprint Doc=TP_SMD_Ø1.5mm, LatestRevisionDate=2016-06-02, Part Number=TP_SMD_Ø1.5MM, Pin Count=1, Published=2016-06-02, Publisher="Nordic Semiconductor"
TP51: library part "Testpoint TH", "Testpoint, through hole", Part number IPS=N.A., Artikkelnr Noca=N.A., ComponentLink1Description=Datasheet, ComponentLink2Description="Supplier link", Footprint Doc=TESTPAD-TH, LatestRevisionDate=2009-12-12, Part Number="Testpoint TH", Pin Count=1, Published=2009-12-12, Publisher="Nordic Semiconductor"
U1: "Low power System-in-Package with integrated LTE-M/NB-IoT modem and GPS", Manufacturer="Nordic Semiconductor", Part number IPS=80000002329, Artikkelnr Noca=N.A., ComponentLink1Description=Datasheet, ComponentLink2Description="Supplier link", Footprint Doc=LGA-161, LatestRevisionDate=2020-08-13, Manufacturer Part Number=nRF9160-SICAB1A, Part Number=nRF9160-SICAB1A, Pin Count=161, Published=2020-08-13, Publisher="Nordic Semiconductor", Supplier 1="Nordic Semiconductor", Supplier Part Number 1=nRF9160-SICAB1A
U2: "GNSS Low-Noise Amplifier Front-End Module with Integrated Pre-Filter and Post-Filter", Manufacturer=Skyworks, Part number IPS=00000002997, Supplier Part Number 1=863-2032-1-ND, Artikkelnr Noca=N.A., ComponentLink1Description=Datasheet, ComponentLink1URL=http://www.skyworksinc.com/uploads/documents/SKY65943_11_204404F.pdf, ComponentLink2Description="Supplier link", ComponentLink2URL=https://www.digikey.com/product-detail/en/skyworks-solutions-inc/SKY65943-11/863-2032-1-ND, Footprint Doc=MCM-10, HelpURL=http://www.skyworksinc.com/Product/3579/SKY65943-11, LatestRevisionDate=2019-04-16, Manufacturer Part Number=SKY65943-11, Part Number=SKY65943-11, Pin Count=10, Published=2019-04-16, Publisher="Nordic Semiconductor", Supplier 1=Digi-Key, Supplier 2=Mouser, Supplier Part Number 2=873-SKY65943-11